# Altium PCB SupBigBrrg_0.PcbDoc (part 24 of 29) (continued)
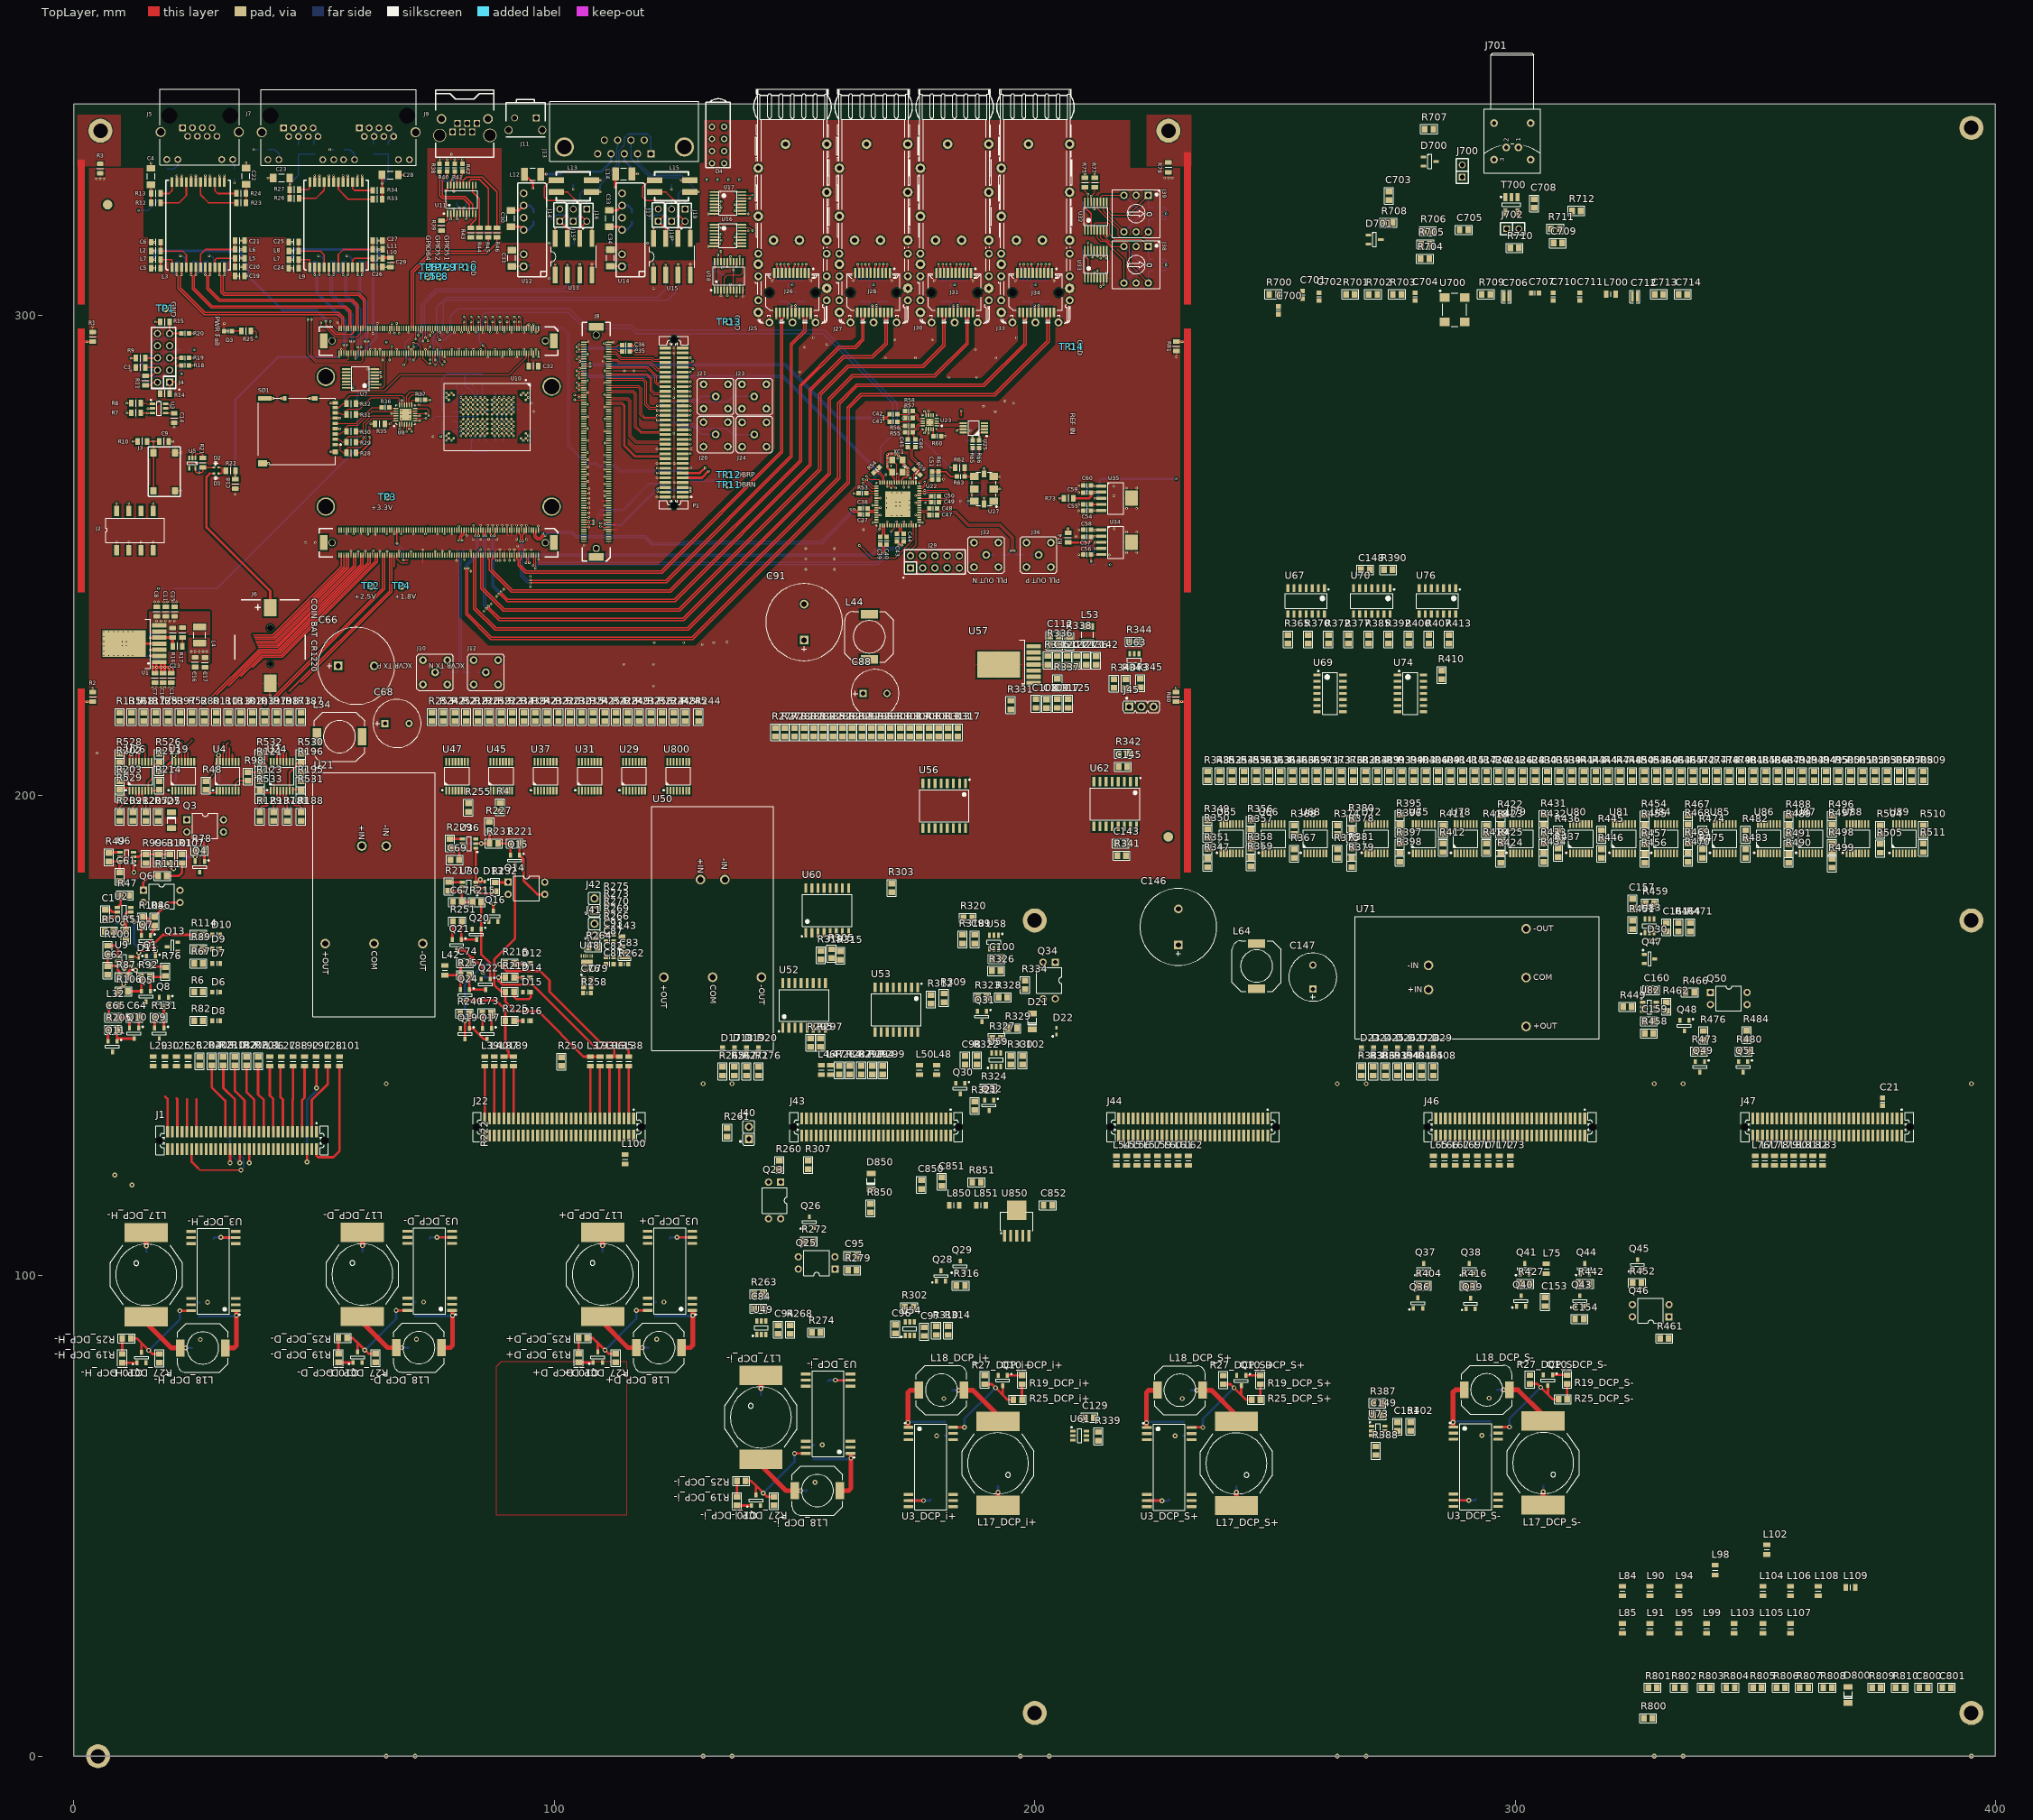
[diagram p0: TopLayer view]
## Part data (continued)
U5: "Ultra low power (Iq=1.2 mkA) LDO 3.3V Fixed", Manufacturer="Texas Instruments", PACKAGE_DESIGNATOR=MF, FAMILY_NAME=LDO, GENERIC_PART_NUMBER=TPS79733DCK, HelpURL=http://www.ti.com/lit/ds/symlink/tps797.pdf, INDUSTRY_STD_PKG_TYPE=SC70-5, Manufacturer_Part_Number=TPS79733DCK, PartField=TPS79733DCK, PIN_COUNT=5, Pkg=SC70-5, SMD Solders=5, THD Solders=0, Vendor="Texas Instruments"
U7: "Sextuple NOR Gate", Manufacturer="Texas Instruments", PACKAGE_DESIGNATOR=PW, FAMILY_NAME=NOR_GATE, GENERIC_PART_NUMBER=SN74LVC04APW, HelpURL=http://www.ti.com/lit/ds/symlink/sn74lvc04a.pdf, INDUSTRY_STD_PKG_TYPE=TSSOP, Manufacturer_Part_Number=SN74LVC04APW, PartField=SN74LVC04APW, PIN_COUNT=14, Pkg=PW-14, SMD Solders=14, THD Solders=0, Vendor="Texas Instruments"
U8: library part TXS02612_RTW_24, "IC SDIO PORT EXPANDER AND LEVEL SHIFTER", Manufacturer="Texas Instruments", Manufacturer_Part_Number=txs02612_rtw_24, PACKAGE_DESIGNATOR=RTW, Datasheet URL=http://www.ti.com/lit/gpn/TXS02612, FAMILY_NAME="APPLICATION SPECIFIC (COMPACT FLASH, SD, MMC, I2C)", GENERIC_PART_NUMBER=TXS02612RTWR, INDUSTRY_STD_PKG_TYPE=QFN, PartField=TXS02612RTWR, PIN_COUNT=24, Pkg=QFN-24EP, RefDes=RefDes, SMD Solders=25, THD Solders=0, Type=DEV, Vendor="Texas Instruments"
U10: library part MTFC32GAKAENA, PartField="MTFC8GACAEDQ-AAT TR", Pkg=LBGA-100, SMD Solders=100, THD Solders=0
U11: library part ADM3222ARU, "RS232", ComponentLink1URL=https://www.analog.com/media/en/technical-documentation/data-sheets/ADM3202_3222_1385.pdf, Last Change Date=24.05.2019, PartField=ADM3222ARUZ, Pkg=TSSOP-20, SMD Solders=20, THD Solders=0, Vendor="Analog Devices"
U12 U14: "AM3G-0505DZ", Manufactuer=Aimtec, HelpURL=http://www.aimtec.com/site/Aimtec/files/Datasheet/HighResolution/AM1D-NZ.pdf, Manufacturer=Aimtec, PartField=AM1D-0505S-N, Pkg=SIP-7pin, SMD Solders=0, SolderOption=0, THD Solders=7, Vendor=Aimtec
U16 U17 U32 U33: "8-Bit I2C-Bus and SMBus Low Power I/O Port with Interrupt", Case=SSOP16, Manufacturer="ANALOG DEVICES", Author="CERN DEM JLC", Bonding=No, ComponentHeight=1.1mm, Component Type=Standard, CreateDate=18/12/2013, Device=PCA9534PW, HelpURL=\\cern.ch\dfs\Applications\Altium\Datasheets\PCA9534PW.pdf, LatestRevisionDate=18/12/2013, Manufacturer Part Number=PCA9534PW, Mounted=Yes, PackageDescription="SOP, 0.65mm pitch; 16 pin, 4.40mm W X 5.00mm L X 1.10mm H body IPC Medium Density", Part Description="8-Bit I2C-Bus and SMBus Low Power I/O Port with Interrupt", PartField=PCA9534PW, Part Number=PCA9534PW, Pin Count=16, Pkg=SSOP16, PressFit=No, Sense=No, SMD=Yes, SMD Solders=16, Socket=No, THD Solders=0
U18: "4-Channel I2C-Bus Multiplexer with Interrupt Logic", Case=SSOP20, Manufacturer="NXP SEMICONDUCTORS", Author="CERN DEM JLC", Bonding=No, ComponentHeight=1.1mm, Component Type=Standard, CreateDate=06/10/2014, Device=PCA9544APW, HelpURL=\\cern.ch\dfs\Applications\Altium\Datasheets\PCA9544APW.pdf, LatestRevisionDate=06/10/2014, Manufacturer Part Number=PCA9544APW, Mounted=Yes, PackageDescription="SOP, 20-Leads, Body 6.6x4.5mm (max), Pitch 0.65mm, IPC Medium Density", Part Description="4-Channel I2C-Bus Multiplexer with Interrupt Logic", PartField=PCA9544APW, Part Number=PCA9544APW, Pin Count=20, Pkg=SSOP20, PressFit=No, Sense=No, SMD=Yes, SMD Solders=20, Socket=No, THD Solders=0
U21 U50 U71: library part AM15E-, "DC-DC+&-Halvoisolated out", Device=AM15E-, Name to order=AM15-1218DZ, Pkg=DCDC_5, Price=2000, SMD Solders=0, Solder Option=RM, THD Solders=5, Vendor=Aimtec
U22: library part Si5395A, Manufacturer=SiLabs, PartField=Si5395A-A-GM, Pkg=QFN-64EP, SMD Solders=65, THD Solders=0, Vendor=SiLabs
U23: "IC CLK FANOUT BUFFER 1:2 16LFCSP", Ambient Temperature Range High=+85°C, Ambient Temperature Range Low=-40°C, Manufacturer="Silicon Labs", Max Junction Temp=+125°C, Max Supply Voltage=3.63V, Min Supply Voltage=1.71V, Nominal Supply Current=65mA, Temperature="-40°C to +85°C", Automotive=No, Category=IC, ComponentLink2Description=Datasheet, ComponentLink2URL=https://www.silabs.com/documents/public/data-sheets/si5330x-datasheet.pdf, Device Class L1="Integrated Circuits (ICs)", Device Class L2="Clock and Timing", Device Class L3="Clock Buffers", Digikey Description="IC CLK BUFFER 2:4 725MHZ 16QFN", Height=0.9mm, Ipc Land Pattern Name=QFN50P300X300X85-16, Last Change Data=09.03.2017, Lead Free=Yes, Logic Function=Non-Inverting, Maintainer="Evgeniy Kotov", Manufacturer Part Number=ADCLK925BCPZ, Mouser Description="Clock Buffer 1:2 Univ bufr/Lvl Trans 725MHz", Number Of Elements=1, Number Of Inputs=2, Number Of Outputs=4, Octopart=https://octopart.com/si53307-b-gm-silicon+labs-51374320, PartField=ADCLK925BCPZ, Pkg=LFCSP-16EP, Propagation Delay=875ps, RoHS=TRUE, SMD Solders=17, Standoff Height=0mm, Temperature Range High=+85°C, Temperature Range Low=-40°C, THD Solders=0
U25: "LVDS Comparator", Manufacturer_Part_Number=ADCMP553BRMZ, PartField=ADCMP553BRMZ, Pkg=MSOP-8, SMD Solders=8, SolderOption=0, THD Solders=0, Vendor="Analog Devices Inc"
U27: library part Si570, "XTAL OSCILLATOR SMD", Ambient Temperature Range High=+85°C, Ambient Temperature Range Low=-40°C, Frequency=0.2-1500MHz, Manufacturer="Silicon Labs", Manufacturer Part Number=541AAA001040BAGR, Max Supply Voltage=3.465V, Min Supply Voltage=2.375V, Nominal Supply Current=100mA, Temperature="-40°C to +85°C", Automotive=No, Category=IC, ComponentLink2Description=Datasheet, ComponentLink2URL=https://www.silabs.com/documents/public/data-sheets/si541-datasheet.pdf, Device Class L1="Integrated Circuits (ICs)", Device Class L2="Clock and Timing", Device Class L3="Timers and Oscillators", Digikey Description="XTAL OSCILLATOR SMD", Height=1.33mm, Last Change Data=09.03.2017, Lead Free=Yes, Maintainer="Evgeniy Kotov", Octopart=https://octopart.com/541aaa001040bagr-silicon+labs-103392146, PartField=570CBC000306DG, Pkg="SMD 6pin", RoHS=TRUE, SMD Solders=6, Temperature Range High=+85°C, Temperature Range Low=-40°C, THD Solders=0
U34: "Single Output LDO, 1.0A, Adj.(1.295 to 5.5V), Low Noise, Fast Transient Response", Manufacturer="Texas Instruments", Manufacturer_Part_Number=reg104-a_dcq_6, PACKAGE_DESIGNATOR=DCQ, Datasheet URL=http://www.ti.com/lit/gpn/REG104-A, FAMILY_NAME="SINGLE CHANNEL LDO", GENERIC_PART_NUMBER=REG104GA-A, INDUSTRY_STD_PKG_TYPE=SOT-223, PartField=REG104GA-A, PIN_COUNT=6, Pkg=SOT-5EP, SMD Solders=6, THD Solders=0, Vendor="Texas Instruments"
U35: "Single Output LDO, 1.0A, Fixed (3.3V), Low Noise, Fast Transient Response", Manufacturer="Texas Instruments", Manufacturer_Part_Number=reg104-33_dcq_6, PACKAGE_DESIGNATOR=DCQ, Datasheet URL=http://www.ti.com/lit/gpn/REG104-A, FAMILY_NAME="SINGLE CHANNEL LDO", GENERIC_PART_NUMBER=REG104GA-3.3, INDUSTRY_STD_PKG_TYPE=SOT-223, PartField=REG104GA-3.3, PIN_COUNT=6, Pkg=SOT-5EP, SMD Solders=6, THD Solders=0, Vendor="Texas Instruments"
U40 U41 U42 U43 U44: "Transimpedance Amplifier; Selectable-Feedback Resistance", ComponentLink1Description=Datasheet, ComponentLink1URL=http://assets.nexperia.com/documents/data-sheet/IP4220CZ6.pdf, Last Change Date=28.03.2017, Maintainer="Evgeniy Kotov", PartField=IP4220CZ6, Pkg=SOT457, Release Date=28.03.2017, SMD Solders=6, THD Solders=0, Vendor=NXP
U48: library part LTC6957-2, "Bufer CMOS in to 2xLVDS out", Current=72, Voltage="2.15.. 3.45", Device=LTC6957IDD-2, Name to order=LTC6957IDD-2, Pkg=DFN045-13, Price=4200, SMD Solders=13, Solder Option=outSrc, THD Solders=0, Vendor="Analog Devices"
U52 U53 U56 U60 U62: library part ISO7240M, "Двунаправленный буфер", Current=30, Voltage="3V3 or 5V", Device=ISO7240, Name to order=ISO7240MDWR, Pkg=SOIC16DW, Price=3500, SMD Solders=16, Solder Option=RM, THD Solders=0, Vendor="Texas Instruments"
U67 U76: "Сдвиговый регистр. Посл. вх. 8 разр. выход.", Voltage="2V0.. 6V0", Device=74HC164D, Name to order=74HC164D, Pkg=SOIC14, Price=30, SMD Solders=14, Solder Option=RM, THD Solders=0, Vendor=NXP
U69 U74: "4 лог. элемента 2И-НЕ", Voltage="2.. 6V", Device=74HC00D, Name to order=74HC00D, Pkg=SOIC14, Price=50, SMD Solders=14, Solder Option=RM, Vendor=NXP
U70: "6 триггеров Шмита с инверсией.", Voltage="2.. 6V", Device=74HC14D, Name to order=74HC14D, Pkg=SOIC14, Price=50, SMD Solders=14, Solder Option=RM, Vendor=NXP
U700: library part CB3LV, "Clock generator", Current=60, Device=CB3LV, Name to order=CB3LV-6C-25M, Pkg=7x5mm, Price=1000, SMD Solders=4, Solder Option=RM, THD Solders=0, Vendor="CTS Electronic Components"
U850: library part REG104GA, "Positive LDO Linear stabilizer", Tolerance="+-2% Max", Device=REG104GA, Name to order=REG104GA-A, Pkg=SOT223-6, Price=1000, SMD Solders=6, Solder Option=RM, TC=70ppm/C, Vendor="Texas Instruments", Vref=1V295
XC1: library part XTAL_CX3225SB48, "Kyocera XTAL 48MHz CX3225SB48000D0WPSC1", Last Change Data=09.03.2017, Maintainer="Evgeniy Kotov", PartField=CX3225SB48000D0WPSC1, Pkg="4 pin SMD", Release Date=06.03.2017, SMD Solders=4, THD Solders=0, Vendor=Kyocera
J38 J39: PartField=ERD116XSZ, Pkg="Rotary 6pin", SMD Solders=0, SolderOption=0, THD Solders=6, Vendor=ECE
J40 J41 J42: Device=PLS2, Price=1, SMD Solders=0, Solder Option=RM, THD Solders=2, Vendor=Confly
L13 L15: PartField=B82790C0513, Pkg="SMD 4 pin", SMD Solders=4, THD Solders=0, Vendor=Epcos
U13 U15: Order=main, PartField=ISO1050DU, Pkg=SOP-8, SMD Solders=8, THD Solders=0
U38 U39: ComponentLink1Description=Datasheet, ComponentLink1URL=https://static.chipdip.ru/lib/081/DOC001081416.pdf, Last Change Data=05.03.2020, PartField=SM712, Pkg=SOT23-3, SMD Solders=3, THD Solders=0, Vendor=SemTech

## Free pads (board coordinates)
  round 5 hole 3: 0(5,0) 0(5.5,338.4) 0(5.5,338.4) 0(200,9) 0(200,174) 0(227.85,338.4) 0(227.85,338.4) 0(395,9) 0(395,174) 0(395,339)
  round 2 smd mask+1: 2(7,323) 2(227.8,191.4)
  round 2 smd far side mask+1: 2(7,323) 2(227.8,191.4)

## Via types
v1: diameter 0.5, hole 0.2, TopLayer to BottomLayer, tented both sides, 972 vias
v2: diameter 1, hole 0.5, TopLayer to BottomLayer, 104 vias
v3: diameter 0.5, hole 0.2, TopLayer to BottomLayer, 2 vias

## Nets (pads, with @x,y where several pads share a name; then routed paths per layer and width w, separated by ;. In a path a pad name is that pad's centre, name@x,y a point inside that pad or via, vN(x,y) a via of type N, cw(c..) or ccw(c..) an arc to the next point about the centre after c; other vN are vias at no path point)
1V8DPLL: C123.2 C124.2 C139.2 R74.1 U22.32 U22.46 U22.60 | length 3.3
  TopLayer w0.3: v1(166.3,256.8) 166.425,256.925 U22.32@167.075,256.925 ; U22.46@174.275,256.225 v1(174.275,257) ; v1(175.2,262.425) U22.60@175.975,262.425
  TopLayer w0.5: R74.1@206.925,254.7 v1(206.925,255.575)
3V3BATLDO: C212.2 D2.1 R21.2 U5.5 | length 6.9
  TopLayer w0.25: U5.5@25.3,268.125 25.3,267.375 25.425,267.25 v1(26.05,267.25) 26.675,267.25 26.775,267.35 R21.2@26.775,268.3 26.79,268.285 D2.1@29.13,268.285
  BottomLayer w0.25: C212.2@25.95,268.45 25.925,268.425 25.925,267.775 26.05,267.65 v1(26.05,267.25)
3V3d_: C74.2 L42.1 Q24.2 R257.1 | length 8.8
  TopLayer w0.5: L42.1@77.2,162.6 R257.1@80.5,162.6 ; Q24.2@80.45,159.6 80.45,162.55 R257.1@80.5,162.6 ; C74.2@80.5,165.1 R257.1@80.5,162.6
3V3DDS: C308.2 C309.2 C316.2 C317.2 C319.2 C320.2 C322.2 C323.2 C325.2 C326.2 C800.2 C801.2 L43.2 L87.2 L89.2 Q24.3 R4.2 R225.2 R250.2 R255.1 R809.2 U29.15 U29.16 U31.15 U31.16 U37.15 U37.16 U45.15 U45.16 U47.15 U47.16 U800.15 U800.16 | length 20.4
  TopLayer w0.5: Q24.3@81.4,157.4 87.8,157.4 89.8,155.4 R225.2@89.8,153.1 89.8,147.4 90.5,146.7 90.5,145.75 90.4,145.65 L89.2@91.5,145.65
3V3DPLL: C135.2 R73.1 U22.13 | length 1.7
  TopLayer w0.3: v1(169.275,264.35) U22.13@169.275,265.125
  TopLayer w0.5: v1(205.2,261.9) R73.1@206.075,261.9
3V3H: C65.2 L32.1 Q11.2 R205.2 | length 5
  TopLayer w0.5: Q11.2@7.05,148.85 7.05,151.05 R205.2@7.25,151.25 ; C65.2@7.25,153.75 L32.1@7.25,156.25
3V3int: C143.2 C274.2 C280.2 C289.2 C295.2 D850.1 L851.2 R341.2 R515.2 R518.2 R520.2 R522.2 R850.1 U52.1 U53.16 U56.16 U60.1 U62.16
3V3RF: C145.2 C237.2 C239.1 C242.1 C245.1 C275.2 C281.2 C290.2 C296.2 L32.2 L42.2 L53.2 L75.2 R340.1 R342.1 R343.1 R516.1 R519.1 R521.1 R523.1 U52.16 U53.1 U56.1 U60.16 U62.1 U69.14 U70.14 U74.14 U76.14
3V3s_: C153.2 L75.1 Q41.2 R427.2
3V3SL: C189.2 C191.2 C192.2 C193.2 C194.2 C195.2 C196.2 C201.2 C202.2 C203.2 C204.2 C205.2 C206.2 C207.2 C208.2 C209.2 C216.2 C226.2 C233.2 C234.2 C240.2 C241.2 C243.2 C244.2 C248.2 C249.2 C251.2 C252.2 C254.2 C255.2 L61.2 L62.2 L72.2 L73.2 L82.2 L83.2 Q41.3 R350.1 R351.1 R357.1 R358.1 R367.1 R368.1 R374.1 R375.1 R378.1 R381.1 R396.1 R397.1 R401.2 R411.1 R412.1 R418.1 R419.1 R423.1 R425.1 R432.1 R433.1 R436.1 R437.1 R445.1 R446.1 R455.1 R457.1 R468.1 R469.1 R474.1 R475.1 R482.1 R483.1 R489.1 R491.1 R497.1 R498.1 R504.1 R505.1 R510.1 R511.1 U65.15 U65.16 U66.15 U66.16 U68.15 U68.16 U72.15 U72.16 U75.15 U75.16 U78.15 U78.16 U79.15 U79.16 U80.15 U80.16 U81.15 U81.16 U84.15 U84.16 U85.15 U85.16 U86.15 U86.16 U87.15 U87.16 U88.15 U88.16 U89.15 U89.16
3Vi: C84.2 C96.2 C98.2 C100.1 D21.1 R263.1 R302.1 R322.1 R326.1 R327.1 R329.1 U49.6 U54.6 U58.6 U59.6
12DDS: L38.2 Q19.3 R216.2 | length 57.3
  TopLayer w0.5: Q19.3@81.4,149.3 v2(81.4,153.1) ; v2(88.6,164.9) 90,163.5 97,163.5 99,161.5 99,159.2 109.6,148.6 113.7,148.6 115.5,146.8 L38.2@115.5,145.65
  BottomLayer w0.5: v2(81.4,153.1) 81.4,160.801 85.499,164.9 v2(88.6,164.9)
+1V8MOD: J8.B52 J8.B76 J8.B108 J8.B128 TP4.1 | length 3.9
  TopLayer w0.2: J8.B128@65.175,250.05 65.2,250.075 v1(65.2,250.899) ; J8.B108@70.175,250.05 v1(70.175,250.85) ; J8.B76@78.175,250.05 v1(78.175,250.85) ; J8.B52@84.175,250.05 84.175,250.75 v1@84.65,251.225
  MidLayer3 w0.2: v1@65.175,250.85 65.2,250.875 v1(65.2,250.899)
  other v1: 84.675,251.225
+2V5MOD: C118.2 C119.2 C121.2 C126.2 C128.2 C131.2 C132.2 C133.2 C137.2 C138.2 J8.A53 J8.A62 J8.A65 J8.A89 J8.B64 J8.B67 J8.B88 J8.B95 J8.B140 J8.B143 J8.C76 J8.C83 J8.C116 J8.C123 J8.C158 J8.C165 TP2.1 U22.22 U22.26 U22.29 U22.33 U22.36 U22.40 U22.43 U22.49 U22.52 U22.57 | length 24.3
  TopLayer w0.15: J8.C76@106.125,271.4 v1(106.925,271.4) ; J8.C116@106.125,281.4 v1(106.925,281.4) ; J8.C158@106.125,291.9 v1(106.925,291.9) ; v1(110.525,273.4) J8.C83@111.325,273.4 ; v1@110.525,283.4 J8.C123@111.325,283.4 ; v1@110.525,293.918 J8.C165@111.325,293.918
  TopLayer w0.2: v1(61.175,254.4) J8.B143@61.175,255.25 ; J8.B140@62.175,250.05 62.175,250.875 v1(62.3,250.999) ; v1(73.175,254.45) J8.B95@73.175,255.25 ; v1(74.675,296.45) J8.A89@74.675,297.25 ; J8.B88@75.175,250.05 v1(75.175,250.85) ; J8.B67@80.175,255.25 v1(80.175,256.05) ; v1(80.675,296.45) J8.A65@80.675,297.25 ; J8.B64@81.175,250.05 81.175,249.25 v1(81.3,249.125) ; J8.A62@81.675,292.05 v1(81.675,292.85) ; v1(83.675,296.45) J8.A53@83.675,297.25
  TopLayer w0.3: U22.29@167.075,258.425 v1(167.85,258.425) ; U22.26@167.075,259.925 v1(167.85,259.925) ; U22.22@167.075,261.925 v1(167.85,261.925) ; v1(167.65,255.45) 167.775,255.575 U22.33@167.775,256.225 ; U22.36@169.275,256.225 v1(169.275,257) ; U22.40@171.275,256.225 v1(171.275,257) ; U22.43@172.775,256.225 v1(172.775,257) ; v1(175.2,258.425) U22.52@175.975,258.425 ; v1(175.2,260.925) U22.57@175.975,260.925 ; U22.49@175.975,256.925 176.625,256.925 v1(176.75,256.8)
  MidLayer3 w0.2: v1@62.175,250.85 62.3,250.975 v1(62.3,250.999)
  BottomLayer w0.25: C137.2@166.85,255.4 167.6,255.4 v1(167.65,255.45) ; C138.2@166.85,258.425 v1(167.85,258.425)
  BottomLayer w0.3: C128.2@170.9,257 v1(171.275,257) ; C126.2@172.075,256.8 172.275,257 v1(172.775,257)
  other v1: 110.425,283.5 110.35,294.093
+3.3VD: C3.2 C16.2 C17.2 C58.2 C70.2 C78.1 C80.1 C90.2 C103.1 C104.1 C106.1 C107.1 C111.2 C115.2 C116.2 C141.2 C156.2 C162.1 C163.1 C164.1 C167.2 C172.2 C177.1 C178.1 C179.1 C180.1 C182.1 C183.1 C187.2 C197.1 C198.1 C200.1 C221.2 C706.1 C707.2 C709.1 J4.4 J8.A38 J8.A41 J8.A74 J8.A77 L4.2 L16.1 L17.1 L18.1 L19.1 L20.1 L21.1 L22.1 L23.1 L700.1 P1.9 P1.11 R7.1 R8.1 R9.2 R10.1 R11.2 R15.2 R28.1 R29.1 R30.1 R31.1 R32.1 R35.2 R75.2 R77.2 R84.5 R84.6 R84.7 R84.8 R85.5 R85.6 R85.7 R85.8 R90.2 R93.1 R94.1 R105.1 R105.2 R105.3 R105.4 R109.1 R109.2 R109.3 R109.4 R119.1 R120.1 R122.1 R124.1 R126.1 R126.2 R126.3 R126.4 R128.1 R128.2 R128.3 R128.4 R133.1 R133.2 R133.3 R133.4 R134.1 R134.2 R134.3 R134.4 R136.1 R136.2 R136.3 R136.4 R138.1 R138.2 R138.3 R138.4 R139.2 R140.2 R142.2 R144.1 R163.1 R164.1 R165.1 R166.1 R167.1 R169.1 R170.1 R171.1 R172.1 R174.2 R180.1 R185.1 R186.1 R189.1 R191.2 R193.1 R709.2 R711.2 R712.2 SD1.4 U3.5 U3.6 U8.5 U8.17 U8.21 U10.F2 U10.F3 U10.F4 U10.F5 U10.F6 U10.F7 U10.F8 U10.F9 U10.H3 U10.H8 U10.L2 U10.L4 U10.L7 U10.L9 U10.P3 U10.P8 U11.19 U13.1 U15.1 U16.1 U16.16 U17.16 U18.1 U18.2 U18.20 U23.8 U23.13 U25.7 U27.6 U32.3 U32.16 U33.2 U33.16 U34.1 U44.5 | length 312.5
  TopLayer w0.15: v1(66.125,279.55) U8.21@67.025,279.55 ; U8.17@68.275,281.3 v1(68.275,282.275) ; v1(69.775,276.375) U8.5@69.775,277.3 ; v1(80.55,275.875) U10.P8@81.05,276.375 ; v1(80.55,281.875) U10.P3@81.05,281.375 ; v1(83.55,274.875) U10.L9@84.05,275.375 ; v1(83.55,276.875) U10.L7@84.05,277.375 ; v1(83.55,280.875) U10.L4@84.05,280.375 ; v1(83.55,282.875) U10.L2@84.05,282.375 ; U10.H8@87.05,276.375 v1(87.55,275.875) ; U10.H3@87.05,281.375 v1(87.55,281.875) ; U10.F9@89.05,275.375 v1(89.55,274.875) ; U10.F8@89.05,276.375 v1(89.55,275.875) ; U10.F7@89.05,277.375 v1(89.55,276.875) ; U10.F6@89.05,278.375 v1(89.55,277.875) ; U10.F5@89.05,279.375 v1(89.55,279.875) ; U10.F4@89.05,280.375 v1(89.55,280.875) ; U10.F3@89.05,281.375 v1(89.55,281.875) ; U10.F2@89.05,282.375 v1(89.55,282.875) ; U16.1@133.255,318.875 v1(137.92,318.875) ; U18.1@133.4,305.225 133.4,307.275 ; v1(133.4,309.95) 133.4,307.275 ; U18.2@134.05,305.225 134.05,306.625 133.4,307.275
  TopLayer w0.2: v1(77.675,296.45) J8.A77@77.675,297.25 ; J8.A74@78.675,292.05 v1(78.675,292.85) ; v1(86.675,296.45) J8.A41@86.675,297.25 ; J8.A38@87.675,292.05 v1(87.675,292.85)
  TopLayer w0.25: v1(10.975,279.675) R7.1@11.925,279.675 ; v1(10.975,281.675) R8.1@11.925,281.675 ; v1(12.275,273.725) R10.1@13.225,273.725 ; SD1.4@54.375,276.375 v1(55.325,276.375) ; R28.1@58.7,271.325 59.6,271.325 61.6,273.325 v1(61.6,274.65) ; R30.1@58.7,275.825 v1(59.6,275.825) ; R31.1@58.7,279.325 v1(59.6,279.325) ; R32.1@58.7,281.575 v1(59.6,281.575) ; R29.1@58.75,273.625 59.675,273.625 60.225,274.175 v1(60.225,274.55) ; v1(61.8,277.375) R35.2@62.675,277.375 ; U11.19@78.435,327.06 78.435,327.96 v1(78.785,328.31) ; v1(133.4,309.95) U18.20@133.4,311.125 ; v1(137.92,318.875) U16.16@139.095,318.875 ; v1(137.92,325.65) U17.16@139.095,325.65 ; U33.16@210.45,313.52 v1(210.45,312.3) 211.1,311.65 U33.2@211.1,307.68 ; U32.16@210.45,323.545 v1(210.45,322.4) 211.75,321.1 U32.3@211.75,317.705 ; R75.2@210.475,328.6 v1(210.475,329.4) ; R77.2@212.525,328.6 v1(212.525,329.4)
  TopLayer w0.3: v1(11.85,291.05) R9.2@12.875,291.05 ; R11.2@14.875,287.375 16.195,287.375 J4.4@17.38,288.56 16.815,289.125 C3.2@14.875,289.125 ; v1(16.975,298.575) R15.2@17.925,298.575 ; U3.5@19.035,280.585 19.735,280.585 v1(20.175,281.025) 19.665,281.535 U3.6@19.035,281.535 ; U13.1@100.175,308.375 v1(100.175,310.65) ; U15.1@120.65,308.375 v1(120.65,310.6) ; v1(177.05,275.475) 177.4,275.825 U23.13@177.4,276.275 ; v1(177.05,279.975) 177.4,279.625 U23.8@177.4,279.175 ; v1(183.8,275.95) 184.075,276.225 U25.7@185.1,276.225 ; 184.7,279.05 v1(184.7,280.125) ; v1(186.16,261.31) U27.6@187.45,261.31 ; C58.2@211.723,255.325 211.783,255.265 v1(212.507,255.265) U34.1@213.875,255.265
  TopLayer w0.5: P1.9@126.7,266.15 130.725,266.15 v1(132.1,267.525) ; P1.11@126.7,267.15 130.3,267.15 v1(131.375,268.225)
  MidLayer4 w0.5: v1(13.475,321.825) 15.375,321.825 21.075,327.525 v1(33.375,327.525) 34.55,328.7 34.55,332.2 36.825,334.475 37.46,334.475 v1(53.25,334.475)
  BottomLayer w0.15: C198.1@67.425,282.075 C198.1@67.625,282.275 ; R138.4@146.275,307.95 146.275,307.38 146.38,307.275 147.155,307.275 ; R138.3@147.075,307.95 147.075,307.355 147.155,307.275 ; R138.2@147.875,307.95 147.875,307.295 147.855,307.275 ; R138.1@148.675,307.95 148.675,307.295 148.655,307.275 ; R136.4@149.93,307.95 149.93,307.325 149.98,307.275 ; R136.3@150.73,307.95 150.73,307.275 ; R136.2@151.53,307.95 151.53,307.275 ; R136.1@152.33,307.95 152.33,307.4 152.205,307.275 151.53,307.275 ; R134.4@163.15,307.95 163.15,307.38 163.255,307.275 164.03,307.275 ; R134.3@163.95,307.95 163.95,307.355 164.03,307.275 ; R134.2@164.75,307.95 164.75,307.295 164.73,307.275 ; R134.1@165.55,307.95 165.55,307.295 165.53,307.275 ; R133.4@166.805,307.95 166.805,307.325 166.855,307.275 ; R133.3@167.605,307.95 167.605,307.275 ; R133.2@168.405,307.95 168.405,307.275 ; R133.1@169.205,307.95 169.205,307.4 169.08,307.275 168.405,307.275 ; R128.4@180.025,307.95 180.025,307.38 180.13,307.275 180.905,307.275 ; R128.3@180.825,307.95 180.825,307.355 180.905,307.275 ; R128.2@181.625,307.95 181.625,307.295 181.605,307.275 ; R128.1@182.425,307.95 182.425,307.295 182.405,307.275 ; R126.4@183.68,307.95 183.68,307.325 183.73,307.275 ; R126.3@184.48,307.95 184.48,307.275 ; R126.2@185.28,307.95 185.28,307.275 ; R126.1@186.08,307.95 186.08,307.4 185.955,307.275 185.28,307.275 ; R109.4@196.9,307.95 196.9,307.38 197.005,307.275 197.78,307.275 ; R109.3@197.7,307.95 197.7,307.355 197.78,307.275 ; R109.2@198.5,307.95 198.5,307.295 198.48,307.275 ; R109.1@199.3,307.95 199.3,307.295 199.28,307.275 ; R105.4@200.555,307.95 200.555,307.325 200.605,307.275 ; R105.3@201.355,307.95 201.355,307.275 ; R105.2@202.155,307.95 202.155,307.275 ; R105.1@202.955,307.95 202.955,307.4 202.83,307.275 202.155,307.275 ; 147.155,307.275 147.855,307.275 ; 147.855,307.275 148.655,307.275 ; 148.655,307.275 149.98,307.275 ; 149.98,307.275 150.73,307.275 ; 150.73,307.275 151.53,307.275 ; 164.03,307.275 164.73,307.275 ; 164.73,307.275 165.53,307.275 ; 165.53,307.275 166.855,307.275 ; 166.855,307.275 167.605,307.275 ; 167.605,307.275 168.405,307.275 ; 180.905,307.275 181.605,307.275 ; 181.605,307.275 182.405,307.275 ; 182.405,307.275 183.73,307.275 ; 183.73,307.275 184.48,307.275 ; 184.48,307.275 185.28,307.275 ; 197.78,307.275 198.48,307.275 ; 198.48,307.275 199.28,307.275 ; 199.28,307.275 200.605,307.275 ; 200.605,307.275 201.355,307.275 ; 201.355,307.275 202.155,307.275
  BottomLayer w0.25: C200.1@54.375,276.675 54.675,276.375 v1(55.325,276.375) ; C198.1@67.625,282.275 v1(68.275,282.275) ; v1(133.4,309.95) C164.1@133.4,309 134.325,309 134.95,308.375 R142.2@135.6,308.375 ; 149.605,307.175 v1(149.605,306.3) C156.2@148.55,306.3 148.655,306.195 L23.1@148.655,304.825 L22.1@150.53,304.825 ; 166.48,307.175 v1(166.48,306.3) C141.2@165.425,306.3 165.53,306.195 L21.1@165.53,304.825 L20.1@167.405,304.825 ; 183.355,307.175 v1(183.355,306.3) C111.2@182.3,306.3 182.405,306.195 L19.1@182.405,304.825 L18.1@184.28,304.825 ; 200.23,307.175 v1(200.23,306.3) 199.175,306.3 199.28,306.195 L17.1@199.28,304.825 L16.1@201.155,304.825 ; v1(212.507,255.265) 212.792,255.55 C70.2@213.625,255.55 ; R90.2@214.7,248.075 v1(215.725,248.075) ; R84.8@226.425,309.275 227.2,309.275 227.375,309.45 227.375,310.1 ; R84.7@226.425,310.075 227.35,310.075 227.375,310.1 ; R84.6@226.425,310.875 227.35,310.875 227.375,310.9 ; R84.5@226.425,311.675 227.175,311.675 227.375,311.475 227.375,310.9 ; R85.8@226.425,319.95 227.2,319.95 227.375,320.125 227.375,320.775 ; R85.7@226.425,320.75 227.35,320.75 227.375,320.775 ; R85.6@226.425,321.55 227.35,321.55 227.375,321.575 ; R85.5@226.425,322.35 227.175,322.35 227.375,322.15 227.375,321.575 ; 227.375,310.1 v1(227.375,310.475) 227.375,310.9 ; 227.375,320.775 v1(227.375,321.15) 227.375,321.575
  BottomLayer w0.3: v1(13.475,321.825) 15.4,321.825 19.275,325.7 R193.1@19.275,328.4 ; U44.5@15.435,288.56 J4.4@17.38,288.56 ; C221.2@18.75,280.6 19.75,280.6 v1(20.175,281.025) ; v1(22.375,287.825) R191.2@22.375,289.125 ; v1(33.375,327.525) R186.1@33.375,328.45 ; v1(37.46,334.485) R185.1@38.385,334.485 ; v1(53.25,334.475) R180.1@54.175,334.475 ; R174.2@76.26,327.935 78.41,327.935 v1(78.785,328.31) ; v1(76.35,274.775) 76.6,275.025 R169.1@76.6,275.925 R170.1@76.6,277.925 ; R171.1@76.6,279.925 R172.1@76.6,281.925 76.6,286.725 77.65,287.775 R167.1@79.75,287.775 81.375,287.775 ; C183.1@82.7,273.775 82.7,272.025 83.05,271.675 R163.1@86.125,271.675 ; C183.1@82.85,273.775 82.85,274.175 v1(83.55,274.875) ; v1(83.55,282.875) 83.55,283.225 C182.1@82.875,283.9 82.875,284.3 82.35,284.825 81.875,284.825 81.375,285.325 81.375,287.775 ; R164.1@85.05,287.775 R166.1@83,287.775 81.375,287.775 ; C180.1@86.575,281.675 87.35,281.675 v1(87.55,281.875) ; C178.1@89.35,273.8 89.35,274.675 v1(89.55,274.875) ; C179.1@89.35,284 89.35,283.075 v1(89.55,282.875) ; v1(89.55,277.875) 89.85,278.175 C177.1@89.85,278.9 89.85,279.575 v1(89.55,279.875) ; C172.2@100.175,309.625 v1(100.175,310.65) ; C167.2@120.65,309.45 v1(120.65,310.6) ; R144.1@132.95,311.125 132.95,310.275 133.275,309.95 v1(133.4,309.95) ; C162.1@137.2,318.875 v1(137.92,318.875) 139.05,318.875 R140.2@139.1,318.925 ; C163.1@137.2,325.675 139.125,325.675 R139.2@139.15,325.7 ; C104.1@186.125,262.15 186.125,260.5 C103.1@186.175,260.45 186.4,260.675 R119.1@187.525,260.675 ; R124.1@187.075,272.325 187.763,272.325 ; R119.1@187.675,260.675 187.675,262.125 189.425,263.875 R120.1@189.425,265.025 ; v1(188.1,270.25) 187.763,270.587 187.763,272.325 ; R122.1@188.45,272.325 187.763,272.325 ; R93.1@210.025,313.5 210.025,312.725 v1(210.45,312.3) C80.1@210.45,311.575 ; R94.1@210.025,323.55 210.025,322.825 v1(210.45,322.4) C78.1@210.45,321.625
  BottomLayer w0.5: v1(78.785,328.31) 79.01,328.085 C187.2@79.86,328.085
  other v1: 26.85,229.98 27.625,229.98 24.425,230.005 25.225,230.005 26.06,229.99
+3V3Hall: C339.2 C340.2 C346.2 C347.2 C354.2 C355.2 C357.2 C359.2 L25.2 L26.2 Q11.3 R48.1 R82.2 R98.1 R121.2 R123.2 R195.2 R196.2 R202.2 R203.2 R213.2 R214.2 U4.15 U4.16 U19.15 U19.16 U24.15 U24.16 U26.15 U26.16 | length 42.7
  TopLayer w0.3: R203.2@9.5,203 R202.2@9.5,205.15 10.525,205.15 11.579,206.204 U26.16@11.579,207.071 11.579,208.104 ; U26.15@12.229,207.071 12.229,208.121 ; 19.9,206.775 20.196,207.071 U19.16@20.475,207.071 v2@20.475,208 ; R48.1@27.5,203 29.5,205 29.5,206.846 U4.16@29.725,207.071 29.725,207.975 29.7,208 v2(30.1,208.4) 30.375,208.125 U4.15@30.375,207.071 ; R98.1@36.2,204.9 R121.2@38.65,204.9 ; R123.2@38.7,203 38.7,204.85 R121.2@38.65,204.9 ; R121.2@38.7,204.95 R121.2@38.65,204.9
  TopLayer w0.5: 11.579,208.104 11.579,208.329 v2(11.925,208.675) ; R213.2@17.752,205.048 18.848,205.048 19.5,205.7 19.5,206.375 19.9,206.775
  BottomLayer w0.5: v2(11.925,208.675) 12.2,208.4 C339.2@12.2,205.5 12.098,205.398 C340.2@12.098,203 ; v2(20.8,208.3) 20.3,207.8 20.3,205.6 21.1,205.6 C354.2@21.2,205.5 ; C355.2@21.2,203 C354.2@21.2,205.1 ; v2(30.1,208.4) 30.1,208.5 30.25,208.35 C357.2@30.25,205.5 ; C359.2@30.25,203 C357.2@30.25,205.15
+3V3MOD: C199.2 J8.A26 J8.A29 J8.A50 J8.A86 J8.B55 J8.B79 J8.B115 J8.B127 J8.B152 J8.B155 J8.C96 J8.C103 J8.C136 J8.C143 TP3.1 U7.14 | length 13.7
  TopLayer w0.15: J8.B55@83.175,255.25 v1(83.175,256.25) ; J8.C96@106.125,276.4 v1(106.925,276.4) ; J8.C136@106.125,286.4 v1(106.925,286.4) ; v1(110.525,278.4) J8.C103@111.325,278.4 ; v1(110.525,288.4) J8.C143@111.325,288.4
  TopLayer w0.2: v1(58.175,254.45) J8.B155@58.175,255.25 ; J8.B152@59.175,250.05 v1(59.175,250.85) ; v1(65.165,254.45) 65.165,255.24 J8.B127@65.175,255.25 ; v1(68.175,254.45) J8.B115@68.175,255.25 ; J8.A86@75.675,292.05 v1(75.675,292.85) ; v1(77.175,254.45) J8.B79@77.175,255.25 ; J8.A50@84.675,292.05 v1(84.675,292.85) ; v1(89.675,296.45) J8.A29@89.675,297.25 ; J8.A26@90.675,292.05 v1(90.675,292.85)
  TopLayer w0.25: U7.14@56.72,284.89 v1(58.09,284.89)
  MidLayer3 w0.2: v1(65.165,254.45) v1@65.175,254.45
  BottomLayer w0.25: v1(58.09,284.89) C199.2@58.09,285.8
+5SL: L60.2 L71.2 L81.2 L94.1 L104.1 L109.1 Q44.3 R405.2
+5V_CAN_U_can_phy1: C30.2 C171.2 C173.2 U12.6 U13.8 | length 9.5
  TopLayer w0.3: U13.8@100.175,315.975 100.2,316 v1(100.2,318.175)
  TopLayer w0.5: C30.2@90.95,321.825 92.614,321.825 U12.6@93.624,322.835
  BottomLayer w0.3: C171.2@100.2,317 v1(100.2,318.175)
  BottomLayer w0.5: U12.6@93.624,322.835 94.84,322.835 95.65,322.025 C173.2@95.65,321.4
+5V_CAN_U_can_phy2: C33.2 C166.2 C168.2 U14.6 U15.8 | length 9.5
  TopLayer w0.3: U15.8@120.65,315.975 120.675,316 v1(120.675,318.175)
  TopLayer w0.5: C33.2@111.425,321.825 113.089,321.825 U14.6@114.099,322.835
  BottomLayer w0.3: C166.2@120.675,317 v1(120.675,318.175)
  BottomLayer w0.5: U14.6@114.099,322.835 115.315,322.835 116.125,322.025 C168.2@116.125,321.4
+5VME: C1.2 C7.1 C7_DCP_D+.2 C7_DCP_D-.2 C7_DCP_H-.2 C7_DCP_i+.2 C7_DCP_i-.2 C7_DCP_S+.2 C7_DCP_S-.2 C10.1 C12.2 C31.2 C34.2 C60.2 C61.2 C62.2 C67.2 C69.2 C72.2 C108.2 C109.2 C117.2 C125.2 C129.2 C151.2 C157.2 C160.2 C169.2 C174.2 C218.2 C220.2 C224.2 C246.2 C265.2 C276.2 C277.2 J8.A1 J8.A2 J8.A3 J8.A4 J8.A5 J8.A6 J8.A7 J8.A8 J8.A9 J8.A11 L17_DCP_D+.1 L17_DCP_D-.1 L17_DCP_H-.1 L17_DCP_i+.1 L17_DCP_i-.1 L17_DCP_S+.1 L17_DCP_S-.1 Q44.2 R19_DCP_D+.1 R19_DCP_D-.1 R19_DCP_H-.1 R19_DCP_i+.1 R19_DCP_i-.1 R19_DCP_S+.1 R19_DCP_S-.1 R25_DCP_D+.1 R25_DCP_D-.1 R25_DCP_H-.1 R25_DCP_i+.1 R25_DCP_i-.1 R25_DCP_S+.1 R25_DCP_S-.1 R47.1 R49.1 R87.1 R95.2 R100.1 R215.1 R217.1 R229.1 R337.2 R339.1 R344.1 R402.1 R442.2 R451.1 R459.1 R462.1 U1.1 U2.6 U6.6 U9.6 U12.1 U14.1 U30.6 U35.1 U36.6 U57.1 U61.6 U63.6 U67.14 U73.6 U82.6 U83.6 | length 136.6
  TopLayer w0.2: J8.A9@94.675,297.25 v1(94.675,298.05) ; J8.A8@95.175,292.05 v1(95.175,292.85) ; v1(95.175,296.45) J8.A7@95.175,297.25 ; v1(95.675,291.25) J8.A6@95.675,292.05 ; J8.A5@95.675,297.25 v1(95.675,298.05) ; J8.A4@96.175,292.05 v1(96.175,292.85) ; v1(96.175,296.45) J8.A3@96.175,297.25 ; v1(96.675,291.25) J8.A2@96.675,292.05
  TopLayer w0.25: J8.A11@94.175,297.25 94.175,297.775 94.45,298.05 v1(94.675,298.05) ; v1(96.175,296.45) 96.525,296.45 96.675,296.6 J8.A1@96.675,297.25
  TopLayer w0.3: C31.2@91.15,310.175 93.584,310.175 U12.1@93.624,310.135 ; C34.2@111.675,310.2 114.034,310.2 U14.1@114.099,310.135 ; C60.2@211.725,264.525 212.507,264.525 v1(212.507,264.423) U35.1@213.875,264.423
  TopLayer w0.5: C1.2@6.5,174.45 7.95,174.45 8.3,174.8 U2.6@9.049,174.8 ; R100.1@7,166.95 C62.2@7,164.5 7.05,164.55 U9.6@9.1,164.55 9.1,163.65 9.45,163.3 R87.1@9.45,162.25 ; R49.1@7.25,186.25 7.3,186.3 U6.6@9.6,186.3 9.5,186.2 C61.2@9.5,184 ; R19_DCP_H-.1@10.05,84 R25_DCP_H-.1@10.05,87 ; C7.1@16.41,225.485 v1(16.41,226.71) 16.41,227.585 U1.1@16.61,227.785 ; C7.1@17.16,225.485 v1(17.16,226.71) U1.1@17.16,227.585 ; C10.1@18.135,225.485 v1(18.135,226.71) U1.1@18.135,227.66 ; C10.1@18.885,225.485 v1(18.885,226.71) U1.1@18.885,227.685 ; C12.2@19.86,225.485 v1(19.86,226.71) ; C12.2@20.61,225.485 v1(20.61,226.71) ; R19_DCP_D-.1@55.05,84.05 R25_DCP_D-.1@55.05,87.05 ; R217.1@78,180.2 78.15,180.05 U30.6@80.854,180.05 80.7,179.896 C67.2@80.7,177.8 R215.1@83,177.8 ; R229.1@78.254,189.2 78.404,189.05 80.25,189.05 ; C69.2@80.2,186.6 80.2,189 80.25,189.05 ; U36.6@80.854,189.05 80.25,189.05 ; R19_DCP_D+.1@105.05,84.05 R25_DCP_D+.1@105.05,87.05 ; R19_DCP_i-.1@138,54.3 R25_DCP_i-.1@138,57.3 ; R25_DCP_i+.1@197.35,74.215 R19_DCP_i+.1@197.35,77.215 ; R25_DCP_S+.1@247,74.2 R19_DCP_S+.1@247,77.2 ; R25_DCP_S-.1@310.85,74.285 R19_DCP_S-.1@310.85,77.285
  TopLayer w1: v2(15.05,106.25) L17_DCP_H-.1@15.05,109 ; v2(60.05,106.3) L17_DCP_D-.1@60.05,109.05 ; v2(110.05,106.3) L17_DCP_D+.1@110.05,109.05 ; v2(143,76.55) L17_DCP_i-.1@143,79.3 ; L17_DCP_i+.1@192.35,52.215 v2(192.35,54.965) ; L17_DCP_S+.1@242,52.2 v2(242,54.95) ; L17_DCP_S-.1@305.85,52.285 v2(305.85,55.035)
  BottomLayer w0.25: R95.2@211.05,262.725 211.05,263.825 211.648,264.423 v1(212.507,264.423)
  BottomLayer w0.3: U12.1@93.624,310.135 94.435,310.135 94.725,310.425 C174.2@95.45,310.425 ; U14.1@114.099,310.135 114.91,310.135 115.2,310.425 C169.2@115.925,310.425 ; v1(212.507,264.423) 212.522,264.408 C72.2@213.525,264.408
  BottomLayer w0.5: C7_DCP_H-.2@15.05,105 v2(15.05,106.25) ; v1(16.41,226.71) 16.41,225.885 C224.2@16.81,225.485 17.16,225.835 v1(17.16,226.71) ; v1(18.135,226.71) 18.135,225.885 C220.2@18.535,225.485 18.885,225.835 v1(18.885,226.71) ; v1(19.86,226.71) 19.86,225.885 C218.2@20.26,225.485 20.61,225.835 v1(20.61,226.71) ; C7_DCP_D-.2@60.05,105.05 v2(60.05,106.3) ; C7_DCP_D+.2@110.05,105.05 v2(110.05,106.3) ; C7_DCP_i-.2@143,75.3 v2(143,76.55) ; v2(192.35,54.965) C7_DCP_i+.2@192.35,56.215 ; C72.2@213.525,264.408 213.525,265.6 213.825,265.9 v1(229.5,265.9) ; v2(242,54.95) C7_DCP_S+.2@242,56.2 ; v2(305.85,55.035) C7_DCP_S-.2@305.85,56.285
+5VSTBY: C214.2 U5.4
+7_: C9_DCP_S+.2 C13_DCP_S+.2 R513.2 U3_DCP_S+.13 | length 6.3
  TopLayer w0.5: U3_DCP_S+.13@223.35,53.215 226.485,53.215 v2(226.5,53.2)
  BottomLayer w0.5: C9_DCP_S+.2@225,53.4 225.2,53.2 v2(226.5,53.2) 227.8,53.2 C13_DCP_S+.2@228,53.4
+7D: C9_DCP_D+.2 C13_DCP_D+.2 Q21.2 R251.2 R525.1 U3_DCP_D+.13 | length 10.2
  TopLayer w0.5: Q21.2@78.75,170 78.75,171.65 78.7,171.7 78.9,171.9 R251.2@78.9,173.8 ; v2(125.55,108.05) 125.565,108.035 U3_DCP_D+.13@128.7,108.035
  BottomLayer w0.5: C13_DCP_D+.2@124.05,107.85 124.25,108.05 v2(125.55,108.05) 126.85,108.05 C9_DCP_D+.2@127.05,107.85
+7DDS: L35.2 L96.2 Q21.3 R219.2 | length 47.6
  TopLayer w0.5: Q21.3@79.7,167.8 81.2,167.8 82.78,166.22 83.074,166.22 85.1,164.194 v2(85.1,163.2) ; R219.2@89.8,162.1 v2(88.4,162.1) 88.4,161.4 89.2,160.6 95.5,160.6 108.6,147.5 112.1,147.5 112.5,147.1 112.5,145.65 ; L96.2@111.5,145.65 112.5,145.65 ; L35.2@113.5,145.65 112.5,145.65
  BottomLayer w0.5: v2(85.1,163.2) 85.5,162.8 85.5,162.1 v2(88.4,162.1)
+7H: C9_DCP_i+.1 C13_DCP_i+.1 R314.2 U3_DCP_i+.12
+7i: Q29.2 R316.2
+7int: L48.2 L99.2 L850.1 Q29.3 R265.2
+7SL: L56.2 L67.2 L78.2 L90.2 L102.2 L108.2 Q38.3 R394.2
+7V: Q38.2 R416.2
+12Hall: L28.2
+12SL: L59.2 L70.2 L80.2 Q37.3 R391.2
+12Vin: C66.1 C91.1 C146.1 C247.2 C257.2 C261.2 C303.2 C306.2 C307.2 C330.2 C331.2 C332.2 L34.1 L44.1 L64.1 Q9.2 Q19.2 Q37.2 R131.2 R240.2 R404.2 | length 2.2
  TopLayer w0.5: R131.2@16.75,153.75 16.8,153.7 Q9.2@16.8,151.6
+18H: C338.2 C342.2 C345.1 Q5.2 R92.2 R106.2 U21.3 | length 5.8
  TopLayer w0.5: R106.2@11.25,159.25 Q5.2@14.05,159.25 14.05,162.2 R92.2@14,162.25
+18Hall: L30.2 Q5.3 R89.2 | length 0
  TopLayer w0.5: L30.2@18.9,145.667 L30.2@18.917,145.65
+18i: C288.1 C291.2 C294.2 Q32.2 R271.2 R329.2 R517.2 U50.3
+18int: L46.2 Q32.3 R321.2
+18SL: L54.2 L65.2 L76.2 Q51.3 R383.2
-7_: C9_DCP_S-.1 C13_DCP_S-.1 Q45.2 R388.1 R452.2 U3_DCP_S-.12
-7D: C9_DCP_D-.1 C13_DCP_D-.1 Q15.2 R221.2 R231.1 U3_DCP_D-.12 | length 5.1
  TopLayer w0.5: R231.1@88.3,190 R221.2@90.6,190 ; Q15.2@90.85,187.6 90.85,189.75 R221.2@90.6,190 ; R221.2@90.9,190 R221.2@90.6,190
-7DDS: L37.2 L93.2 Q15.3 R222.2 | length 56
  TopLayer w0.5: Q15.3@91.8,185.4 91.8,170.2 87.48,165.88 87.48,160.62 89,159.1 R222.2@89.8,159.1 89.8,157.1 91.8,155.1 96.7,155.1 96.7,155 106.05,145.65 L37.2@107.5,145.65 L93.2@109.5,145.65
-7H: C9_DCP_H-.1 C13_DCP_H-.1 Q4.2 R78.2 R101.1 U3_DCP_H-.12 | length 9.6
  TopLayer w0.5: R101.1@20,185.95 20,185 20.25,184.75 v2(20.75,184.75) ; Q4.2@25.25,186.25 v2(25.25,187.25) R78.2@25.25,188.5
  BottomLayer w0.5: v2(20.75,184.75) 23.25,187.25 v2(25.25,187.25)
-7Hall: L27.2 L86.2 Q4.3 R6.2
-7i: C9_DCP_i-.1 C13_DCP_i-.1 Q26.2 R272.2 R274.2 U3_DCP_i-.12